# Altium PCB GPS-Tracker.PcbDoc (continued)
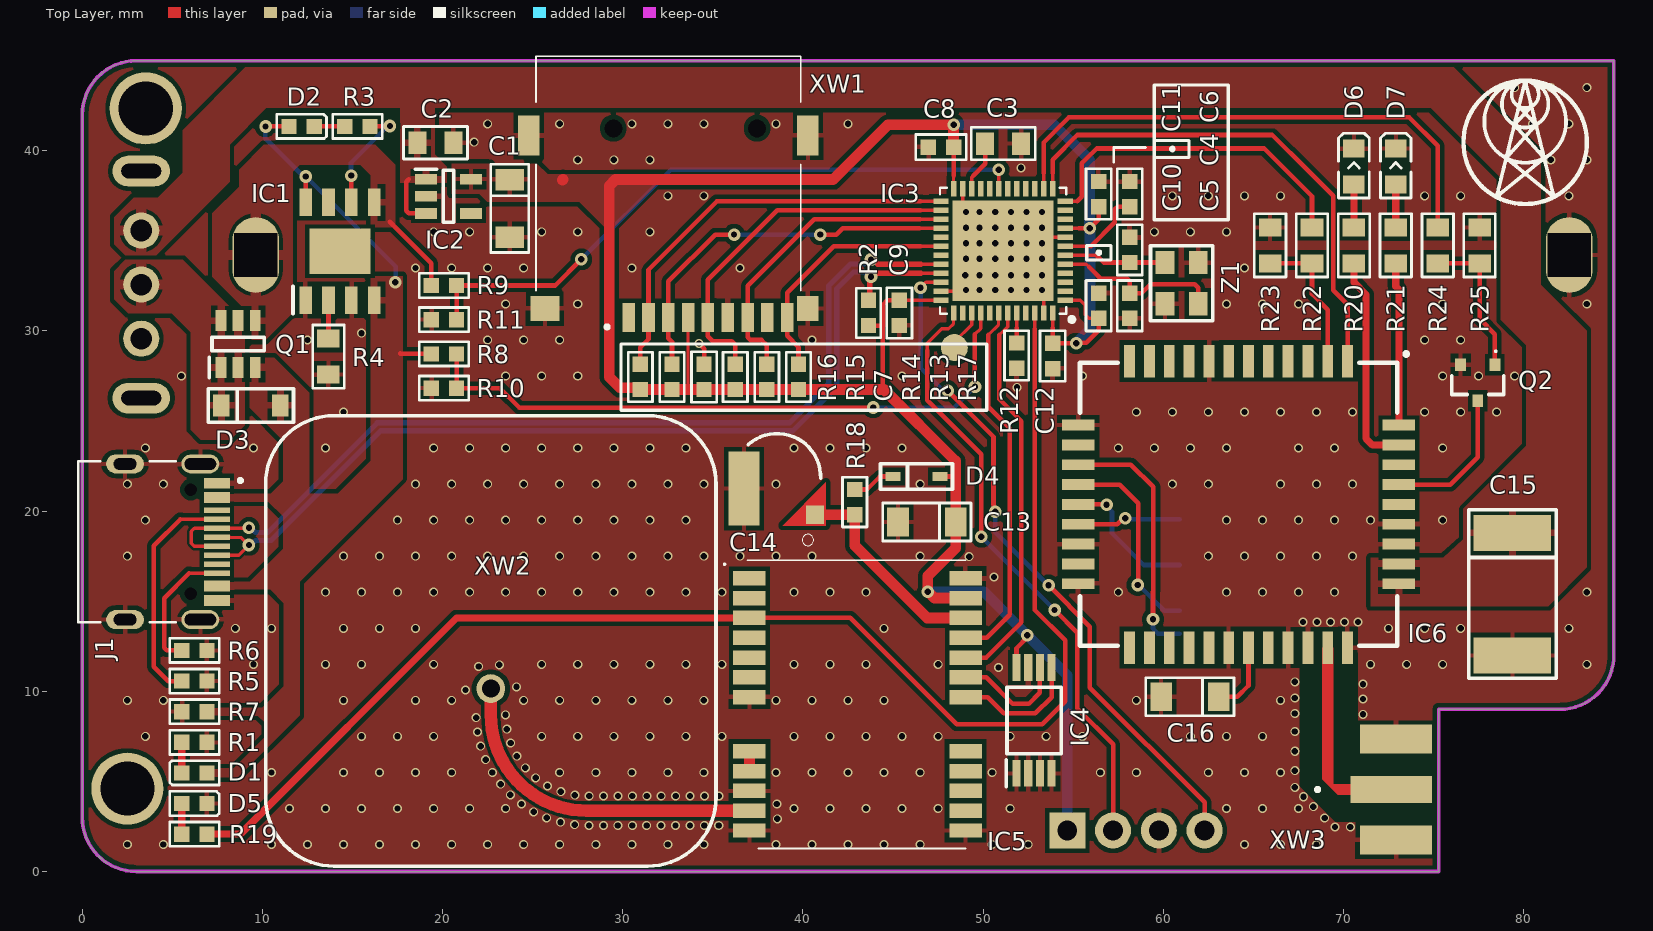
[diagram p0: Top Layer view]
## Footprints (in the part's own frame and the unit in brackets; to place one, negate y for a bottom-side part, rotate by r counter-clockwise, add the part's x,y. Pads: shape width x height; smd on the part's side, far side on the other; paste and mask are expansions set on the pad) (continued)
  rect 5.6x5.6 smd: 49(0,0)
  silkscreen extent -3.94,-3.5 3.5,3.93, body extent -3.55,-3.55 3.55,3.55, height 0.6
"RES: 0603" [mm]
  rect 0.85x0.85 smd: 1(-0.7,0) 2(0.7,0)
  silkscreen extent -1.38,-0.67 1.38,0.67, body extent -0.8,-0.4 0.8,0.4, height 0.44
"RES: 0805" [mm]
  rect 1x1.25 smd: 1(-1,0) 2(1,0)
  silkscreen extent -1.75,-0.87 1.75,0.87, body extent -1,-0.6 1,0.6, height 0.48
SIM800C [mm]
  rect 1.8x0.6 smd: 1(-7.95,6.05) 2(-7.95,4.95) 3(-7.95,3.85) 4(-7.95,2.75) 5(-7.95,1.65) 6(-7.95,0.55) 7(-7.95,-0.55) 8(-7.95,-1.65) 9(-7.95,-2.75) 10(-7.95,-3.85) 11(-7.95,-4.95) 12(-7.95,-6.05) 22(7.95,-6.05) 23(7.95,-4.95) 24(7.95,-3.85) 25(7.95,-2.75) 26(7.95,-1.65) 27(7.95,-0.55) 28(7.95,0.55) 29(7.95,1.65) 30(7.95,2.75) 31(7.95,3.85) 32(7.95,4.95) 33(7.95,6.05)
  rect 0.6x1.8 smd: 13(-4.4,-8.9) 14(-3.3,-8.9) 15(-2.2,-8.9) 16(-1.1,-8.9) 17(0,-8.9) 18(1.1,-8.9) 19(2.2,-8.9) 20(3.3,-8.9) 21(4.4,-8.9) 34(4.4,8.9) 35(3.3,8.9) 36(2.2,8.9) 37(1.1,8.9) 38(0,8.9) 39(-1.1,8.9) 40(-2.2,8.9) 41(-3.3,8.9) 42(-4.4,8.9)
  silkscreen extent -8.44,-8.8 7.85,9.39, body extent -7.85,-8.8 7.85,8.8, height 2.3
SOIC127P600X175-9N [mm]
  rect 1.525x0.7 smd: 1(-2.712,1.905) 2(-2.712,0.635) 3(-2.712,-0.635) 4(-2.712,-1.905) 5(2.712,-1.905) 6(2.712,-0.635) 7(2.712,0.635) 8(2.712,1.905)
  rect 2.513x3.402 smd: 9(0,0)
  silkscreen extent -3.47,2.61 -1.95,2.61, body extent -3,-2.45 3,2.45, height 1.75
SOP65P640X120-8N [mm]
  rect 1.475x0.45 smd: 1(-2.938,0.975) 2(-2.938,0.325) 3(-2.938,-0.325) 4(-2.938,-0.975) 5(2.938,-0.975) 6(2.938,-0.325) 7(2.938,0.325) 8(2.938,0.975)
  silkscreen extent -3.67,-1.5 1.85,1.55, body extent -3.2,-1.5 3.2,1.5, height 1.2
SOT95P280X130-6N [mm]
  rect 1.15x0.6 smd: 1(-1.3,0.95) 2(-1.3,0) 3(-1.3,-0.95) 4(1.3,-0.95) 5(1.3,0) 6(1.3,0.95)
  silkscreen extent -1.87,-1.45 0.38,1.6, body extent -1.4,-1.45 1.4,1.45, height 1.3
SOT95P280X145-5N [mm]
  rect 1.2x0.6 smd: 1(-1.25,0.95) 2(-1.25,0) 3(-1.25,-0.95) 4(1.25,-0.95) 5(1.25,0.95)
  silkscreen extent -1.85,-1.45 0.3,1.5, body extent -1.4,-1.45 1.4,1.45, height 1.2
TFP09212B [mm]
  rect 1.6x0.7 smd: 1(14.5,-2.2) 2(14.5,-1.1) 3(14.5,0) 4(14.5,1.1) 5(14.5,2.2) 6(14.5,3.3) 7(14.5,4.4) 8(14.5,5.5) 9(14.5,6.6)
  rect 1.4x1.2 smd: 10(14,7.75)
  rect 2.2x1.2 smd: 11(4.4,7.75) 12(4.4,-7.75)
  rect 1.4x1.6 smd: 13(14,-6.85)
  round 0.5 hole 1 unplated: MH1(4,-3.05) MH2(4,4.93)
  silkscreen extent 0,-7.35 15.12,7.35, body extent 0,-8 15.2,8.1, height 1.85

## Part data
BT1: "BATTERY", Package=None, Availability=Unavailable, MF=MPD, MP=BH123A, Price=None, SnapEDA_Link=https://www.snapeda.com/parts/BH123A/MPD/view-part/4389037/?ref=snap
C1 C13 C14 C15 C16: library part Capacitor_polar, "SMD Capacitor Polar"
C2 C3 C4 C5 C6 C7 C8 C9 C10 C11 C12: library part Capacitor, "SMD Capacitor"
D1 D2 D5 D6 D7: library part LED, "Chip LED"
D3 D4: library part Diode, "Rectifier Diode"
IC1: "Connector", Manufacturer_Name="NanJing Top Power", Datasheet Link=https://dlnmh9ip6v2uc.cloudfront.net/datasheets/Prototyping/TP4056.pdf, Height=1.75mm, Manufacturer_Part_Number=TP4056
IC2: "Integrated Circuit", Manufacturer_Name="Texas Instruments", Manufacturer_Part_Number=LP2981IM5X-5.0, Mouser Part Number=926-LP2981IM5X-50, Datasheet Link=https://www.ti.com/lit/ds/symlink/lp2981-n.pdf?ts=1629199672850&ref_url=https%253A%252F%252Fwww.ti.com%252Fstore%252Fti%252Fen%252Fp%252Fproduct%252F%253Fp%253DLP2981IM5X-5.0%252FNOPB, Height=1.45mm, Mouser Price/Stock=https://www.mouser.com/Search/Refine.aspx?Keyword=926-LP2981IM5X-50
IC3: "Integrated Circuit", Manufacturer_Name=STMicroelectronics, Mouser Part Number=511-STM32F401CCU6, Arrow Part Number=STM32F401CCU6, Arrow Price/Stock=https://www.arrow.com/en/products/stm32f401ccu6/stmicroelectronics?region=nac, Datasheet Link=http://www.st.com/web/en/resource/technical/document/datasheet/DM00086815.pdf, Height=0.6mm, Manufacturer_Part_Number=STM32F401CCU6, Mouser Price/Stock=https://www.mouser.co.uk/ProductDetail/STMicroelectronics/STM32F401CCU6?qs=DqCdCwOw4%2F5VrOZQxO795A%3D%3D
IC4: "Integrated Circuit", Arrow Part Number=24AA32A-I/ST, Manufacturer_Name=Microchip, Mouser Part Number=579-24AA32A-I/ST, Arrow Price/Stock=https://www.arrow.com/en/products/24aa32a-ist/microchip-technology?region=nac, Datasheet Link=http://ww1.microchip.com/downloads/en/DeviceDoc/21713M.pdf, Height=1.2mm, Manufacturer_Part_Number=24AA32A-I/ST, Mouser Price/Stock=https://www.mouser.co.uk/ProductDetail/Microchip-Technology/24AA32A-I-ST/?qs=z30FE1aq6wbUu0ZQUmtPYw%3D%3D
IC5: "Integrated Circuit", Manufacturer_Name=U-Blox, Datasheet Link=https://www.u-blox.com/sites/default/files/products/documents/NEO-6_DataSheet_%28GPS.G6-HW-09005%29.pdf, Height=2.6mm, Manufacturer_Part_Number=NEO-6M-0-001
IC6: library part -SIM800C, "Integrated Circuit", Manufacturer_Name=SIMCOM, Datasheet Link=https://datasheet.lcsc.com/szlcsc/SIMCom-Wireless-Solutions-SIM800C-24Mbit_C69119.pdf, Manufacturer_Part_Number=-SIM800C
J1: library part TYPE-C-31-M-12, "USB Connectors 24 Receptacle 1 8.94*7.3mm RoHS", Package=None, Availability=Unavailable, MP=TYPE-C-31-M-12, Price=None
J2: "Connector", Manufacturer_Name="KLS Electronic", Datasheet Link=http://www.klsele.com/admin/product_upload/20190123112744L-KLS1-SIM-077A-6P-H1.4-R--.pdf, Height=1.45mm, Manufacturer_Part_Number=L-KLS1-SIM-077A-6P-H1.4-R
Q1: library part MOSP_IRLMLS6802_SOT23, "P-Channel Enhancement Mode MOSFET", ASSEMBLY=ASSEMBLY, MANF_P#=IRLML6402
Q2: "Transistor BJT NPN", Manufacturer_Name=Nexperia, Mouser Part Number=771-BC817-40-T/R, Arrow Part Number=BC817-40,215, Arrow Price/Stock=https://www.arrow.com/en/products/bc817-40215/nexperia?region=nac, Datasheet Link=https://assets.nexperia.com/documents/data-sheet/BC817_SER.pdf, Height=1.1mm, Manufacturer_Part_Number=BC817-40,215, Mouser Price/Stock=https://www.mouser.co.uk/ProductDetail/Nexperia/BC817-40215?qs=me8TqzrmIYU%252B245p8hOLaQ%3D%3D
R1 R2 R3 R4 R5 R6 R7 R8 R9 R10 R11 R12 R13 R14 R15 R16 R17 R18 R19 R20 R21 R22 R23 R24 R25: library part Resistor, Manufacturer=Yageo, Package=0201, PartNumber=RC0201JR-07100RL, Power=0.05W, Temperature=-55...+125°C, TypeResistor="Resistor film", HelpURL=https://www.digikey.com/product-detail/en/yageo/RC0201JR-07100RL/311-100NCT-ND/1949006
  R1 R3: ValueManufacturerPartNumber="Resistor film, 680R, , 0201, 0.05W, -55...+125°C"
  R2: ValueManufacturerPartNumber="Resistor film, 1.5k, , 0201, 0.05W, -55...+125°C"
  R4: ValueManufacturerPartNumber="Resistor film, 1.2k, , 0201, 0.05W, -55...+125°C"
  R5 R6: ValueManufacturerPartNumber="Resistor film, 5.1k, , 0201, 0.05W, -55...+125°C"
  R7: ValueManufacturerPartNumber="Resistor film, 100k, , 0201, 0.05W, -55...+125°C"
  R8 R12 R13 R14 R15 R16 R17: ValueManufacturerPartNumber="Resistor film, 9.1k, , 0201, 0.05W, -55...+125°C"
  R9 R24: ValueManufacturerPartNumber="Resistor film, 4.7k, , 0201, 0.05W, -55...+125°C"
  R10: ValueManufacturerPartNumber="Resistor film, 16k, , 0201, 0.05W, -55...+125°C"
  R11: ValueManufacturerPartNumber="Resistor film, 17k, , 0201, 0.05W, -55...+125°C"
  R18 R19 R20 R21 R22: ValueManufacturerPartNumber="Resistor film, 1k, , 0201, 0.05W, -55...+125°C"
  R23: ValueManufacturerPartNumber="Resistor film, 5.6k, , 0201, 0.05W, -55...+125°C"
  R25: ValueManufacturerPartNumber="Resistor film, 47k, , 0201, 0.05W, -55...+125°C"
S1: "Switch", Manufacturer_Name="C & K COMPONENTS", Mouser Part Number=611-OS102011MA1QN1, Arrow Part Number=OS102011MA1QN1, Arrow Price/Stock=https://www.arrow.com/en/products/os102011ma1qn1/ck?region=europe, Datasheet Link=http://www.ckswitches.com/media/1428/os.pdf, Manufacturer_Part_Number=OS102011MA1QN1, Mouser Price/Stock=https://www.mouser.co.uk/ProductDetail/CK/OS102011MA1QN1?qs=WtljUlYws5R6MUgHcLkz4w%3D%3D
X1: library part "Connector SWD", "SWD Interface"
XW1: "Connector", Manufacturer_Name=100y, Datasheet Link=http://images.100y.com.tw/pdf_file/10-TFP09-2-12B.pdf, Height=2.45mm, Manufacturer_Part_Number=TFP09-2-12B
XW2 XW3: library part "Connector RF"
Z1: library part Crystal, Frequency=25MHz, LoadCapacitance=6pF, Manufacturer="Murata Electronics", Package="case 2016", PartNumber=XRCGB25M000F0L00R0, Temperature=-30...+85°C, Tolerance=±50ppm, HelpURL=https://www.digikey.com/product-detail/en/murata-electronics-north-america/XRCGB25M000F0L00R0/490-5577-1-ND/2368391, TypeOscilator=Crystal, ValueManufacturerPartNumber="Crystal, 25MHz, 6pF, ±50ppm, case 2016, -30...+85°C"

## Free pads (board coordinates)
  round 4 hole 3: 2(2.5,4.6) 2(3.525,42.35)
  round 1.5 smd: 4(48.4,29.075)

## Via types
v1: diameter 0.5, hole 0.35, Top Layer to Bottom Layer, tented both sides, 412 vias
v2: diameter 0.7, hole 0.35, Top Layer to Bottom Layer, 30 vias

## Nets (pads, with @x,y where several pads share a name; then routed paths per layer and width w, separated by ;. In a path a pad name is that pad's centre, name@x,y a point inside that pad or via, vN(x,y) a via of type N, cw(c..) or ccw(c..) an arc to the next point about the centre after c; other vN are vias at no path point)
+3.3V: C1.1 C7.2 C8.2 C9.2 C10.2 C11.2 C12.2 C13.1 D4.1 IC2.5 IC3.1 IC3.9 IC3.24 IC3.36 IC3.48 IC4.8 IC5.23 R2.2 R13.2 R14.2 R15.2 R16.2 R17.2 X1.1 XW1.4 | length 129.4
  Top Layer w0.18: 33.625,26.75 XW1.4 ; C9.2 46.335,31.7 IC3.36 ; IC3.24 48.36,38.625 ; 53.85,30.175 53.86,30.185 IC3.48 ; IC3.1 55.385,31.7 55.66,31.425 55.66,30.9 55.86,30.7 C10.2 ; IC3.9 54.985,35.7 55.31,35.7
  Top Layer w0.254: R2.2 44.416,30.3 ; 44.4,26.85 44.416,26.866 44.416,30.3 ; C9.2 44.675,31.7 44.441,31.466 44.441,30.275 44.416,30.3 ; D4.1 48.475,21.925 ; 48.36,38.625 C8.2 ; IC4.8 51.85,12.396 52.45,12.996 v2(52.45,13.116) ; 53.86,30.165 C12.2 v2(55.16,29.31) 55.201,29.351 55.724,29.351 56.41,30.037 C10.2 ; 55.31,35.7 v2(55.91,35.7) 56.41,36.2 C11.2
  Top Layer w0.6: C1.1@23.7,38.425 C1.1 C1.1@23.75,38.375 ; 26.648,38.375 26.673,38.4 ; C8.2 v2(48.36,41.45) 44.724,41.45 41.674,38.4 29.601,38.4 29.25,38.049 29.25,27.45 29.85,26.85 30.875,26.85 R16.2 R15.2 33.625,26.75 C7.2 R14.2 R13.2 R17.2 44.5,26.75 48.475,22.775 48.475,21.925 C13.1 48.475,17.95 46.925,16.4 v2(46.925,15.525) 46.952,15.525 47.302,15.175 IC5.23
  Bottom Layer w0.6: v2(46.925,15.525) v2(46.925,15.525) 50.04,15.526 v2(52.45,13.116) ; v2(48.36,41.45) 53.95,41.45 55.91,39.49 v2@55.91,35.727 ; v2@52.469,13.097 54.67,10.896 X1.1 ; v2(55.16,29.31) 55.927,30.077 v2@55.927,35.7
+5V: D1.1 D2.1 D3.1 IC1.4 IC1.8 J1.A4B9 J1.B4A9 Q1.3 R7.2 R8.2 | length 16.2
  Top Layer w0.254: v2(10.175,41.35) D2.1 ; IC1.8 v2@12.395,38.57 ; 17.65,28.75 17.675,28.725 R8.2
  Bottom Layer w0.254: v2(10.175,41.35) 10.15,41.325 10.15,40.7 12.075,38.775 12.079,38.775 12.279,38.575 v2(12.4,38.575) 17.4,33.575 17.4,32.725 v2(17.375,32.7)
ADC_VBATT: IC3.19 R9.1 R11.2 | length 35.7
  Top Layer w0.18: IC3.19 50.86,38.325 v2(50.86,38.95)
  Top Layer w0.254: R11.2 R9.1 26.25,32.525 v2(27.7,33.975)
  Bottom Layer w0.254: v2(27.7,33.975) 32.675,38.95 v2(50.86,38.95)
GND: BT1.2 C1.2 C2.1 C3.1 C4.1 C5.2 C6.1 C7.1 C8.1 C9.1 C10.1 C11.1 C12.1 C13.2 C14.2 C15.2 C16.2 D5.2 D6.2 D7.2 IC1.1 IC1.3 IC2.2 IC3.8 IC3.23 IC3.35 IC3.47 IC3.49 IC4.1 IC4.2 IC4.3 IC4.4 IC4.7 IC5.7 IC5.10 IC5.12 IC5.13 IC5.24 IC6.8 IC6.13 IC6.19 IC6.21 IC6.27 IC6.30 IC6.31 IC6.33 IC6.36 IC6.37 J1.A1B12 J1.B1A12 J1.S1 J1.S2 J1.S3 J1.S4 J2.C5 J2.SW1 J2.SW2 J2.SW3 J2.SW4 Q2.2 R1.2 R4.1 R5.1 R6.1 R7.1 R10.1 R11.1 R12.1 R23.1 R25.1 X1.3 XW1.6 XW1.10 XW1.11 XW1.12 XW1.13 XW3.2 Z1.2 Z1.4 | length 18.8
  Top Layer w0.18: IC3.35 48.86,32.2 IC3.49 ; IC3.23 48.866,37.894 48.866,36.694 48.993,36.567 48.925,36.5 48.925,35.725 49.785,35.725 50.66,34.85 50.71,34.85 IC3.49 ; IC3.47 53.36,32.2 IC3.49 ; IC3.8 51.86,35.2 IC3.49
  Top Layer w0.254: v1(34.225,29.3) 34.51,29.015 C7.1
  other v1: 2.5,1.5 4.5,1.5 10.5,1.5 12.5,1.5 14.5,1.5 16.5,1.5 18.5,1.5 20.5,1.5 22.5,1.5 24.5,1.5 26.5,1.5 28.5,1.5 30.5,1.5 32.5,1.5 34.5,1.5 38.5,1.5 40.5,1.5 42.5,1.5 44.5,1.5 46.5,1.5 50.5,1.5 52.5,1.5 64.5,1.5 66.5,1.5 68.5,1.5 69.525,2.475 70.375,2.475 28.125,2.559 28.925,2.559 29.725,2.559 30.525,2.559 31.325,2.559 32.125,2.559 32.925,2.559 33.725,2.559 34.525,2.559 35.325,2.559 27.326,2.597 26.539,2.736 38.575,2.925 25.776,2.977 68.95,2.975 25.05,3.315 11.5,3.5 13.5,3.5 15.5,3.5 17.5,3.5 19.5,3.5 21.5,3.5 23.5,3.5 39.5,3.5 41.5,3.5 43.5,3.5 45.5,3.5 47.5,3.5 51.5,3.5 63.5,3.5 65.5,3.5 67.5,3.5 68.325,3.6 24.375,3.744 38.55,3.75 67.775,4.15 28.133,4.191 28.933,4.191 29.733,4.191 30.533,4.191 31.333,4.191 32.133,4.191 32.933,4.191 33.733,4.191 34.533,4.191 35.333,4.191 27.334,4.24 23.762,4.257 26.558,4.433 67.3,4.675 25.824,4.751 23.22,4.846 25.161,5.199 10.5,5.5 14.5,5.5 16.5,5.5 18.5,5.5 20.5,5.5 22.76,5.5 26.5,5.5 28.5,5.5 30.5,5.5 32.5,5.5 34.5,5.5 38.5,5.5 40.5,5.5 42.5,5.5 44.5,5.5 46.5,5.5 50.5,5.5 56.5,5.5 58.5,5.5 62.5,5.5 64.5,5.5 66.5,5.5 67.3,5.6 24.589,5.758 22.388,6.209 24.117,6.404 67.3,6.675 22.112,6.96 23.777,7.128 3.5,7.5 15.5,7.5 17.5,7.5 19.5,7.5 25.5,7.5 27.5,7.5 29.5,7.5 31.5,7.5 33.5,7.5 35.5,7.5 39.5,7.5 41.5,7.5 43.5,7.5 45.5,7.5 47.5,7.5 51.5,7.5 53.5,7.5 55.5,7.5 61.5,7.5 63.5,7.5 65.5,7.5 21.937,7.74 67.3,7.775 23.567,7.9 21.864,8.537 23.49,8.696 71.075,8.725 67.3,8.775 2.5,9.5 4.5,9.5 14.5,9.5 18.5,9.5 20.5,9.5 24.5,9.5 26.5,9.5 28.5,9.5 30.5,9.5 32.5,9.5 34.5,9.5 38.5,9.5 40.5,9.5 42.5,9.5 44.5,9.5 58.5,9.5 66.5,9.5 71.075,9.575 67.3,9.625 21.275,10.075 24.1,10.25 71.075,10.4 67.3,10.525 50.85,11.325 22,11.375 23.15,11.475 9.5,11.5 13.5,11.5 15.5,11.5 19.5,11.5 25.5,11.5 27.5,11.5 29.5,11.5 31.5,11.5 33.5,11.5 35.5,11.5 39.5,11.5 41.5,11.5 43.5,11.5 47.5,11.5 71.5,11.5 73.5,11.5 75.5,11.5 83.5,11.5 8.5,13.5 10.5,13.5 14.5,13.5 16.5,13.5 18.5,13.5 44.5,13.5 72.5,13.5 74.5,13.5 76.5,13.5 82.5,13.5 67.75,13.85 68.525,13.85 69.275,13.85 70.05,13.85 70.8,13.85 13.5,15.5 15.5,15.5 17.5,15.5 19.5,15.5 21.5,15.5 23.5,15.5 25.5,15.5 27.5,15.5 29.5,15.5 31.5,15.5 33.5,15.5 35.5,15.5 39.5,15.5 41.5,15.5 43.5,15.5 57.5,15.5 63.5,15.5 65.5,15.5 67.5,15.5 69.5,15.5 83.5,15.5 50.6,16.35 49.225,17.475 2.5,17.5 14.5,17.5 16.5,17.5 18.5,17.5 20.5,17.5 22.5,17.5 24.5,17.5 26.5,17.5 28.5,17.5 30.5,17.5 32.5,17.5 34.5,17.5 36.5,17.5 38.5,17.5 40.5,17.5 46.5,17.5 62.5,17.5 64.5,17.5 66.5,17.5 68.5,17.5 70.5,17.5 3.5,19.5 17.5,19.5 19.5,19.5 21.5,19.5 23.5,19.5 25.5,19.5 27.5,19.5 29.5,19.5 31.5,19.5 33.5,19.5 63.5,19.5 65.5,19.5 67.5,19.5 69.5,19.5 71.5,19.5 75.5,19.5 2.5,21.5 4.5,21.5 18.5,21.5 20.5,21.5 22.5,21.5 24.5,21.5 26.5,21.5 28.5,21.5 30.5,21.5 32.5,21.5 34.5,21.5 38.5,21.5 46.5,21.5 60.5,21.5 62.5,21.5 66.5,21.5 68.5,21.5 70.5,21.5 3.5,23.5 9.5,23.5 13.5,23.5 19.5,23.5 21.5,23.5 23.5,23.5 25.5,23.5 27.5,23.5 29.5,23.5 31.5,23.5 33.5,23.5 39.5,23.5 41.5,23.5 43.5,23.5 45.5,23.5 57.5,23.5 59.5,23.5 61.5,23.5 63.5,23.5 67.5,23.5 69.5,23.5 75.5,23.5 14.5,25.5 58.5,25.5 60.5,25.5 62.5,25.5 64.5,25.5 66.5,25.5 68.5,25.5 70.5,25.5 74.5,25.5 76.5,25.5 78.5,25.5 51.875,26.875 5.5,27.5 23.5,27.5 25.5,27.5 27.5,27.5 45.5,27.5 55.5,27.5 75.5,27.5 77.5,27.5 79.5,27.5 12.5,29.5 22.5,29.5 24.5,29.5 26.5,29.5 40.5,29.5 74.5,29.5 76.5,29.5 15.501,29.876 23.5,31.5 27.5,31.5 63.5,31.5 65.5,31.5 67.5,31.5 75.5,31.5 83.5,31.5 49.05,32.275 49.8,32.275 50.675,32.275 51.55,32.275 52.4,32.275 53.27,32.275 49,33.1 49.8,33.1 50.675,33.1 51.55,33.1 52.4,33.1 53.27,33.1 18.5,33.5 20.5,33.5 22.5,33.5 24.5,33.5 30.5,33.5 36.5,33.5 64.5,33.5 49.05,34 49.8,34 50.675,34 51.55,34 52.4,34 53.27,34 49.05,34.875 49.8,34.875 50.675,34.875 51.55,34.875 52.4,34.875 53.27,34.875 19.5,35.5 21.5,35.5 25.5,35.5 27.5,35.5 31.5,35.5 59.5,35.5 61.5,35.5 63.5,35.5 49.05,35.725 49.8,35.725 50.675,35.725 51.55,35.725 52.4,35.725 53.27,35.725 49.05,36.6 49.8,36.6 50.675,36.6 51.55,36.6 52.4,36.6 53.27,36.6 32.5,37.5 34.5,37.5 60.5,37.5 62.5,37.5 64.5,37.5 66.5,37.5 74.5,37.5 76.5,37.5 82.5,37.5 52.1,39.05 27.5,39.5 29.5,39.5 31.5,39.5 81.5,39.5 83.5,39.5 21.75,40.475 22.5,41.5 26.5,41.5 30.5,41.5 32.5,41.5 34.5,41.5 38.5,41.5 42.5,41.5 80.5,41.5 82.5,41.5 79.5,43.5 81.5,43.5 83.5,43.5
GPS_PPM: IC3.46 IC5.3 R19.1 | length 77.8
  Top Layer w0.18: 52.86,30.115 IC3.46
  Top Layer w0.254: IC5.3 42.625,14.075 48.525,8.175 53.275,8.175 54.55,9.45 54.55,12.825 52.86,14.515 52.86,30.115
  Top Layer w0.4: R19.1 8.775,2.075 20.775,14.075 IC5.3
GSCL: IC4.6 IC5.19 | length 6.4
  Top Layer w0.254: IC5.19 50.175,10.775 50.225,10.725 51.65,9.3 52.525,9.3 53.15,9.925 IC4.6
GSDA: IC4.5 IC5.18 | length 7.2
  Top Layer w0.254: IC5.18 50.25,9.675 51.15,8.775 52.9,8.775 53.8,9.675 IC4.5
NetC3_2: C3.2 IC3.22 | length 2.8
  Top Layer w0.18: IC3.22 49.36,38.525 49.46,38.625
  Top Layer w0.254: 49.46,38.625 50.11,39.275 C3.2
NetC4_2: C4.2 IC3.6 Z1.3 | length 5.7
  Top Layer w0.18: IC3.6 56.285,34.2
  Top Layer w0.254: 56.285,34.2 56.685,33.8 C4.2 Z1.3
NetC5_1: C5.1 IC3.5 Z1.1 | length 9.6
  Top Layer w0.18: IC3.5 55.735,33.7 55.885,33.55
  Top Layer w0.254: 55.885,33.55 56.529,32.906 57.986,32.906 58.135,32.757 C5.1 58.785,32.1 59.285,32.6 61.735,32.6 61.935,32.4 Z1.1
NetC6_2: C6.2 IC3.7 | length 4.9
  Top Layer w0.18: IC3.7 55.985,34.7
  Top Layer w0.254: 55.985,34.7 57.31,36.025 57.31,36.75 57.46,36.9 C6.2
NetC14_1: C14.1 IC5.22 R18.2 | length 11.7
  Top Layer w0.6: C14.1 40.713,19.763 40.75,19.8 R18.2 42.875,18.1 46.9,14.075 IC5.22
NetC16_1: C16.1 IC6.28 | length 4
  Top Layer w0.254: C16.1 64.1,9.7 64.725,10.325 IC6.28
NetD1_2: D1.2 R1.1 | length 1.7
  Top Layer w0.4: D1.2 R1.1
NetD2_2: D2.2 R3.2 | length 1.7
  Top Layer w0.254: D2.2 R3.2
NetD3_2: D3.2 Q1.1 Q1.2 Q1.5 Q1.6 S1.2
NetD4_2: D4.2 R18.1 | length 2.4
  Top Layer w0.254: R18.1 43.55,21.2 44.275,21.925 D4.2
NetD5_1: D5.1 R19.2 | length 1.7
  Top Layer w0.4: R19.2 D5.1
NetD6_1: D6.1 R20.2 | length 2.4
  Top Layer w0.4: R20.2 D6.1
NetD7_1: D7.1 R21.2 | length 2.4
  Top Layer w0.4: R21.2 D7.1
NetIC1_2: IC1.2 R4.2 | length 2.1
  Top Layer w0.254: IC1.2 13.665,29.585 R4.2@13.675,29.575
NetIC1_6: IC1.6 R3.1 | length 6.3
  Top Layer w0.254: v2(14.925,38.625) 14.935,38.615 IC1.6 ; R3.1 17.05,41.35 v2(17.075,41.375)
  Bottom Layer w0.254: v2(14.925,38.625) 14.918,38.632 14.918,39.343 16.865,41.29 16.99,41.29 v2(17.075,41.375)
NetIC3_44: IC3.44 R12.2 | length 1.7
  Top Layer w0.18: 51.86,30.165 IC3.44
  Top Layer w0.254: R12.2 51.86,30.165
NetIC5_8: IC5.8 IC5.9 | length 1.1
  Top Layer w0.6: IC5.9 IC5.8
NetIC5_11: IC5.11 XW2.1 | length 18.8
  Top Layer w0.7: XW2.1 22.675,8.698 ccw(c27.998,8.698) 27.998,3.375 IC5.11
NetIC6_2: IC6.2 R22.1 R23.2 | length 8.1
  Top Layer w0.254: R23.2 R22.1 68.25,32.05 69.125,31.175 IC6.2
NetIC6_32: IC6.32 XW3.1
NetIC6_41: IC6.41 R20.1 | length 11.5
  Top Layer w0.4: R20.1@70.575,33.25 70.575,32.7 71.25,32.025 71.25,24.025 71.6,23.675 IC6.41
NetIC6_42: IC6.42 R21.1 | length 8.5
  Top Layer w0.4: R21.1@72.9,33.25 72.9,32.475 73.075,32.3 IC6.42
NetJ1_A5: J1.A5 R5.2 | length 12.6
  Top Layer w0.18: 5.45,19.55 J1.A5@7.4,19.55
  Top Layer w0.254: 5.45,19.55 3.975,18.075 3.975,11.375 4.78,10.57 R5.2
NetJ1_B5: J1.B5 R6.2 | length 7.2
  Top Layer w0.18: 5.925,16.55 J1.B5@7.34,16.55
  Top Layer w0.254: R6.2 4.699,12.269 4.55,12.418 4.55,15.175 5.925,16.55
NetQ2_1: Q2.1 R24.1 R25.2 | length 8.4
  Top Layer w0.254: R24.1 R25.2 ; R25.2@77.55,33.85 77.55,30.675 78.4,29.825 Q2.1
PWRKEY: IC6.39 Q2.3 | length 8.1
  Top Layer w0.254: IC6.39 73.425,21.475 75.925,21.475 77.45,23 Q2.3
PWRKEY_MCU: IC3.14 R24.2 | length 30.2
  Top Layer w0.18: IC3.14 53.36,38.768
  Top Layer w0.254: 53.36,38.768 53.36,40.46 54.75,41.85 73.65,41.85 75.225,40.275 R24.2
SD_CS: IC3.25 R16.1 XW1.2 | length 23.2
  Top Layer w0.18: 46.525,37.2 IC3.25
  Top Layer w0.254: R16.1 30.975,29.1 31.425,29.55 XW1.2 31.425,33.4 35.225,37.2 46.525,37.2
SD_Detect: IC3.30 R17.1 XW1.9 | length 13.8
  Top Layer w0.18: 46.525,34.7 IC3.30
  Top Layer w0.254: R17.1 39.75,29.1 39.125,29.725 XW1.9 39.125,32.125 41.7,34.7 46.525,34.7
SD_MISO: IC3.27 R13.1 XW1.7 | length 17.4
  Top Layer w0.18: 46.5,36.2 IC3.27
  Top Layer w0.254: R13.1 37.995,29.205 37.7,29.5 37.074,29.5 36.925,29.649 XW1.7 36.925,32.5 40.625,36.2 46.5,36.2
SD_MOSI: IC3.28 R15.1 XW1.3 | length 21
  Top Layer w0.18: 46.51,35.7 IC3.28
  Top Layer w0.254: R15.1 32.73,29.395 32.525,29.6 XW1.3 32.525,32.75 35.125,35.35 v2(36.175,35.35) ; v2(40.95,35.35) 41.847,35.35 42.197,35.7 46.485,35.7
  Bottom Layer w0.254: v2(36.175,35.35) v2(40.95,35.35)
SD_SCK: IC3.26 R14.1 XW1.5 | length 20.5
  Top Layer w0.18: 46.525,36.7 IC3.26
  Top Layer w0.254: R14.1 36.24,29.235 36.05,29.425 35,29.425 34.725,29.7 XW1.5 34.725,32.85 38.575,36.7 46.525,36.7
SIM_CLK: IC6.16 J2.C3 | length 11.2
  Top Layer w0.254: IC6.16 57.575,21.475 58.612,20.438 58.612,15.937 v2(58.575,15.9)
  Bottom Layer w0.254: v2(58.575,15.9) 58.625,15.9 60.055,14.47 J2.C3
SIM_DATA: IC6.15 J2.C7 | length 14.1
  Top Layer w0.254: IC6.15 58.2,22.575 59.431,21.344 59.431,15.522 59.425,15.516 v2(59.425,14)
  Bottom Layer w0.254: v2(59.425,14) 59.425,13.475 59.7,13.2 J2.C7
SIM_RST: IC6.17 J2.C2 | length 7.8
  Top Layer w0.254: IC6.17 56.825,20.375 v2(56.85,20.35)
  Bottom Layer w0.254: v2(56.85,20.35) 56.85,20.278 57.15,19.978 57.15,18.775 58.915,17.01 J2.C2
SIM_VDD: IC6.18 J2.C1 | length 5.8
  Top Layer w0.254: IC6.18 57.437,19.275 57.76,19.598 v2(57.881,19.598)
  Bottom Layer w0.254: v2(57.881,19.598) 57.929,19.55 J2.C1
SWCLK: IC3.37 X1.2 | length 33.8
  Top Layer w0.18: 46.9,28.925 46.9,29.325 47.7,30.125 48.075,30.125 48.36,30.41 IC3.37
  Top Layer w0.254: 46.9,28.925 46.9,26.15 49.9,23.15 v2(49.9,18.575) ; v2(53.964,14.514) 55.225,13.252 55.225,9.05 57.21,7.065 X1.2
  Bottom Layer w0.254: v2@49.902,18.575 v2(53.964,14.514)
SWDIO: IC3.34 X1.4 | length 38.1
  Top Layer w0.18: v2(46.525,32.394) 46.525,32.4 46.825,32.7 IC3.34
  Top Layer w0.254: v2(48.031,26.675) 50.575,24.131 50.575,20.347 50.59,20.332 50.59,20.06 v2(50.675,19.975) ; v2(53.631,15.881) 55.925,13.586 55.925,10.2 62.29,3.835 X1.4
  Bottom Layer w0.254: v2(46.525,32.394) 46.525,27.95 47.715,26.76 47.946,26.76 v2(48.031,26.675) ; v2(50.675,19.975) 50.675,18.825 53.619,15.881 v2(53.631,15.881)
SWO: IC3.39 pad.4 | length 2.3
  Top Layer w0.18: pad.4 48.4,29.389 49.36,30.349 IC3.39
UART1_RX: IC3.43 IC5.20 | length 21.8
  Top Layer w0.18: 50.9,29.775 51.36,30.235 IC3.43
  Top Layer w0.254: IC5.20 50.175,11.875 52.125,13.825 52.125,25 50.9,26.225 50.9,29.775
UART1_TX: IC3.42 IC5.21 | length 20.5
  Top Layer w0.18: 50.275,29.775 50.854,30.354 50.854,30.994 IC3.42
  Top Layer w0.254: IC5.21 50.2,12.975 51.475,14.25 51.475,24.6 50.275,25.8 50.275,29.775
UART2_RX: IC3.13 IC6.1 | length 28.6
  Top Layer w0.18: IC3.13 53.86,38.765
  Top Layer w0.254: 53.86,38.765 53.86,39.51 55.225,40.875 66.05,40.875 67.95,38.975 69.425,37.5 69.425,32.25 70.225,31.45 IC6.1
UART2_TX: IC3.12 R22.2 | length 18.8
  Top Layer w0.18: IC3.12 55.225,37.2
  Top Layer w0.254: 55.225,37.2 55.475,37.45 55.475,39.3 56.3,40.125 65.6,40.125 68.25,37.475 R22.2
USB_Detect: IC3.40 R8.1 R10.2 | length 35.8
  Top Layer w0.18: 49.544,29.819 49.86,30.135 IC3.40
  Top Layer w0.254: R8.1 R10.2 23.175,26.825 24.25,25.75 v2(43.9,25.75) ; v2(49.544,26.9) 49.544,29.819
  Bottom Layer w0.254: v2(43.9,25.75) 48.394,25.75 v2(49.544,26.9)
USB_N: IC3.32 J1.A7 J1.B7 | length 53.5
  Top Layer w0.18: J1.A7 6.745,18.05 6.739,18.056 6.219,18.056 6.05,18.225 6.05,18.875 6.225,19.05 J1.B7 9.226,19.05 v2(9.25,19.074) ; 46.55,33.7 IC3.32
  Top Layer w0.295: v2(43.775,33.969) 43.883,33.969 44.152,33.7 46.55,33.7
  Bottom Layer w0.295: v2(9.25,19.074) 9.36,19.074 9.614,18.82 10.295,18.82 16.375,24.9 39.25,24.9 41.425,27.075 41.425,32.504 42.636,33.714 43.411,33.714 43.665,33.969 v2(43.775,33.969)
USB_P: IC3.33 J1.A6 J1.B6 R2.1 | length 53.4
  Top Layer w0.18: J1.B6 8.68,17.55 v2(9.25,18.12) 9.223,18.12 8.799,18.544 8.195,18.544 8.189,18.55 J1.A6 ; 46.55,33.2 IC3.33
  Top Layer w0.295: R2.1 43.705,31.77 43.705,32.945 v2(43.775,33.015) 43.885,33.015 44.07,33.2 46.55,33.2
  Bottom Layer w0.295: v2(9.25,18.12) 9.36,18.12 9.614,18.375 10.479,18.375 16.559,24.455 39.434,24.455 41.87,26.891 41.87,32.32 42.82,33.27 43.411,33.27 43.665,33.015 v2(43.775,33.015)
VBATT: BT1.1 IC1.5 Q1.4 R9.2 | length 4.5
  Top Layer w0.254: 17.057,36.068 19.375,33.75 R9.2
VCC: C2.2 C15.1 IC2.1 IC2.3 IC6.34 IC6.35 S1.3 | length 3
  Top Layer w0.254: 18.124,38.425 17.975,38.276 17.975,36.674 18.124,36.525 IC2.3
pads on no net: IC1.7 IC1.9 IC2.4 IC3.2 IC3.3 IC3.4 IC3.10 IC3.11 IC3.15 IC3.16 IC3.17 IC3.18 IC3.20 IC3.21 IC3.29 IC3.31 IC3.38 IC3.41 IC3.45 IC5.1 IC5.2 IC5.4 IC5.5 IC5.6 IC5.14 IC5.15 IC5.16 IC5.17 IC6.3 IC6.4 IC6.5 IC6.6 IC6.7 IC6.9 IC6.10 IC6.11 IC6.12 IC6.14 IC6.20 IC6.22 IC6.23 IC6.24 IC6.25 IC6.26 IC6.29 IC6.38 IC6.40 J1. J1.A8 J1.B8 J2.C6 S1.1 S1.4 S1.5 XW1.1 XW1.8 XW1.MH1 XW1.MH2 Z1.

## Polygon pours and split planes (outlines as drawn)
GND on Top Layer "NONET_L-01_P-001" (solid, pour order 38): 3,0 cw(c3,3) 0,3 0,42 cw(c3,42) 3,45 85,45 85,12 cw(c82,12) 82,9 75.275,9 75.275,0
+5V on Top Layer "Top Layer-+5V" (solid, pour order 37): 7.175,5.225 8.625,5.225 12.075,8.675 12.075,16.075 17.775,21.775 17.775,33.05 16,33.05 16,22.8 14.175,20.975 12.6,20.975 12.6,26.575 10.65,28.525 9.3,28.525 9.3,25.75 11.144,23.906 11.144,21.669 10.45,20.975 6.9,20.975 6.9,20.525 10.325,20.525 11.144,19.706 11.144,17.919 9.3,16.075 6.75,16.075 6.75,15.625 10.45,15.625 11.175,14.9 11.175,10.275 10,9.1 7.125,9.1 7.125,8.65 9.75,8.65 10.2,8.2 10.2,7.525 8.4,5.725 7.175,5.725
NetD3_2 on Top Layer "NONET_L-01_P-001" (solid, pour order 34): 1.775,33.325 2.4,33.95 5.575,33.95 6.3,33.225 8.275,31.25 9.025,31.25 9.025,24.775 8.225,23.975 6.575,23.975 6.025,24.525 6.025,29.925 4.975,30.975 2.55,30.975 1.775,31.75
VCC on Top Layer "NONET_L-01_P-001" (solid, pour order 16): 20.225,38.225 20.225,39.121 19.55,39.796 19.55,42.821 17.65,42.821 17.65,38.225
VBATT on Top Layer "NONET_L-01_P-001" (solid, pour order 31): 16,35.75 17.375,35.75 17.375,39.225 16.275,40.325 10.075,40.325 8.7,38.95 8.7,38 7.225,36.525 7.225,33 8.825,31.4 9.4,31.4 9.4,29.5 10.175,29.5 11.675,31 11.675,38.825 12.075,39.225 15.425,39.225 16,38.65
VCC on Top Layer "Top Layer-VCC" (solid, pour order 24): 76.65,18.448 76.65,20.125 80.15,23.625 80.15,29.2 78.725,30.625 78.725,38.5 74.85,42.375 10.225,42.375 8.175,40.325 8.175,38.275 5.125,35.225 4.1,34.2 2.4,34.2 1.775,34.825 1.775,36.325 2.85,37.4 4.2,37.4 5.575,38.775 5.575,41.15 9.05,44.625 76.125,44.625 80.95,39.8 80.95,32.575 83.5,30.025 83.5,16.875 81.35,14.725 71.5,14.725 71.5,17.425 75.536,17.425
+3.3V on Top Layer "NONET_L-01_P-001" (solid, pour order 15): 20.5,37.613 22.037,37.613 22.488,37.162 27.587,37.162 28.962,35.788 29.537,35.788 31.888,38.138 34.163,38.138 34.163,38.687 33.063,38.687 25.837,38.687 25.237,39.287 20.5,39.287
GND on Bottom Layer "NONET_L-01_P-001" (solid, pour order 39): 3,0 cw(c3,3) 0,3 0,42 cw(c3,42) 3,45 85,45 85,12 cw(c82,12) 82,9 75.275,9 75.275,0

## Keep-outs
Keep-Out Layer:
  lines w0.2: 0,3 ccw(c3,3) 3,0 75.275,0 75.275,9 82,9 ccw(c82,12) 85,12 85,16.909 85,45 3,45 ccw(c3,42) 0,42 0,3

## Other copper
Top Layer:
  pour cut-out: 67.55,12.175 67.55,4.725 69.55,2.725 75.1,2.725 75.1,6.5 70.825,6.5 70.825,12.175
  region net NetIC6_32: 69.425,12.425 69.425,4.85 72.65,4.85 72.65,4.25 72.658,4.25 72.65,4.25 69.688,4.25 68.825,5.113 68.825,12.425 69.425,12.425 69.425,12.433

## Silkscreen, mask and mechanical layers (free items; w line width, h text height)
Top Overlay:
  drawing of 21 lines, arcs and shapes, not listed
Bottom Overlay:
  lines w0.16: 53.4,4.175 53.4,7.775 63.56,7.775 63.56,4.175 ; 55.94,4.175 55.94,7.75 ; 58.48,4.175 58.48,7.775 ; 61.02,4.175 61.02,7.775
  text "JLCJLCJLCJLC" at 84.1,24.475 h1
  text "Designed by Andrii Ivanchenko / 08/22. Kyiv, Ukraine" at 52.65,14.62 h1.6
  text "3.3" at 54.219,4.175 h1 r270
  text "CLK" at 56.737,4.175 h1 r270
  text "GND" at 59.256,4.175 h1 r270
  text "DIO" at 61.775,4.175 h1 r270
  text "github.com/Ivanchenko59/GPS-Tracker" at 43.425,2.217 h1.1
Mechanical 13:
  drawing of 191 lines, arcs and shapes, not listed
  text "Layer" at -2.002,-14.729 h1.52
  text "Name" at 8.409,-14.729 h1.52
  text "Material" at 32.025,-14.729 h1.52
  text "Thickness" at 53.863,-14.729 h1.52
  text "Constant" at 70.369,-14.729 h1.52
  text "Board Layer Stack" at 84.843,-14.729 h1.52
  text "Top Overlay" at 8.409,-17.777 h1.52
  text "Top Solder" at 8.409,-20.825 h1.52
  text "Solder Resist" at 32.025,-20.825 h1.52
  text "0,40mil" at 53.863,-20.825 h1.52
  text "3.5" at 70.369,-20.825 h1.52
  text "1" at -2.002,-23.873 h1.52
  text "Top Layer" at 8.409,-23.873 h1.52
  text "1,38mil" at 53.863,-23.873 h1.52
  text "Dielectric 1" at 8.409,-26.921 h1.52
  text "FR-4" at 32.025,-26.921 h1.52
  text "31,50mil" at 53.863,-26.921 h1.52
  text "4.8" at 70.369,-26.921 h1.52
  text "2" at -2.002,-29.969 h1.52
  text "Bottom Layer" at 8.409,-29.969 h1.52
  text "1,38mil" at 53.863,-29.969 h1.52
  text "Bottom Solder" at 8.409,-33.017 h1.52
  text "Solder Resist" at 32.025,-33.017 h1.52
  text "0,40mil" at 53.863,-33.017 h1.52
  text "3.5" at 70.369,-33.017 h1.52
  text "Bottom Overlay" at 8.409,-36.065 h1.52

## Text inside footprints (layer, text, board x,y; h text height)
XW3: Mechanical 13 "PCB Edge" at 76.2,9.85 h0.81 r90